# Altium PCB slave.PcbDoc (part 1 of 5) (continued)
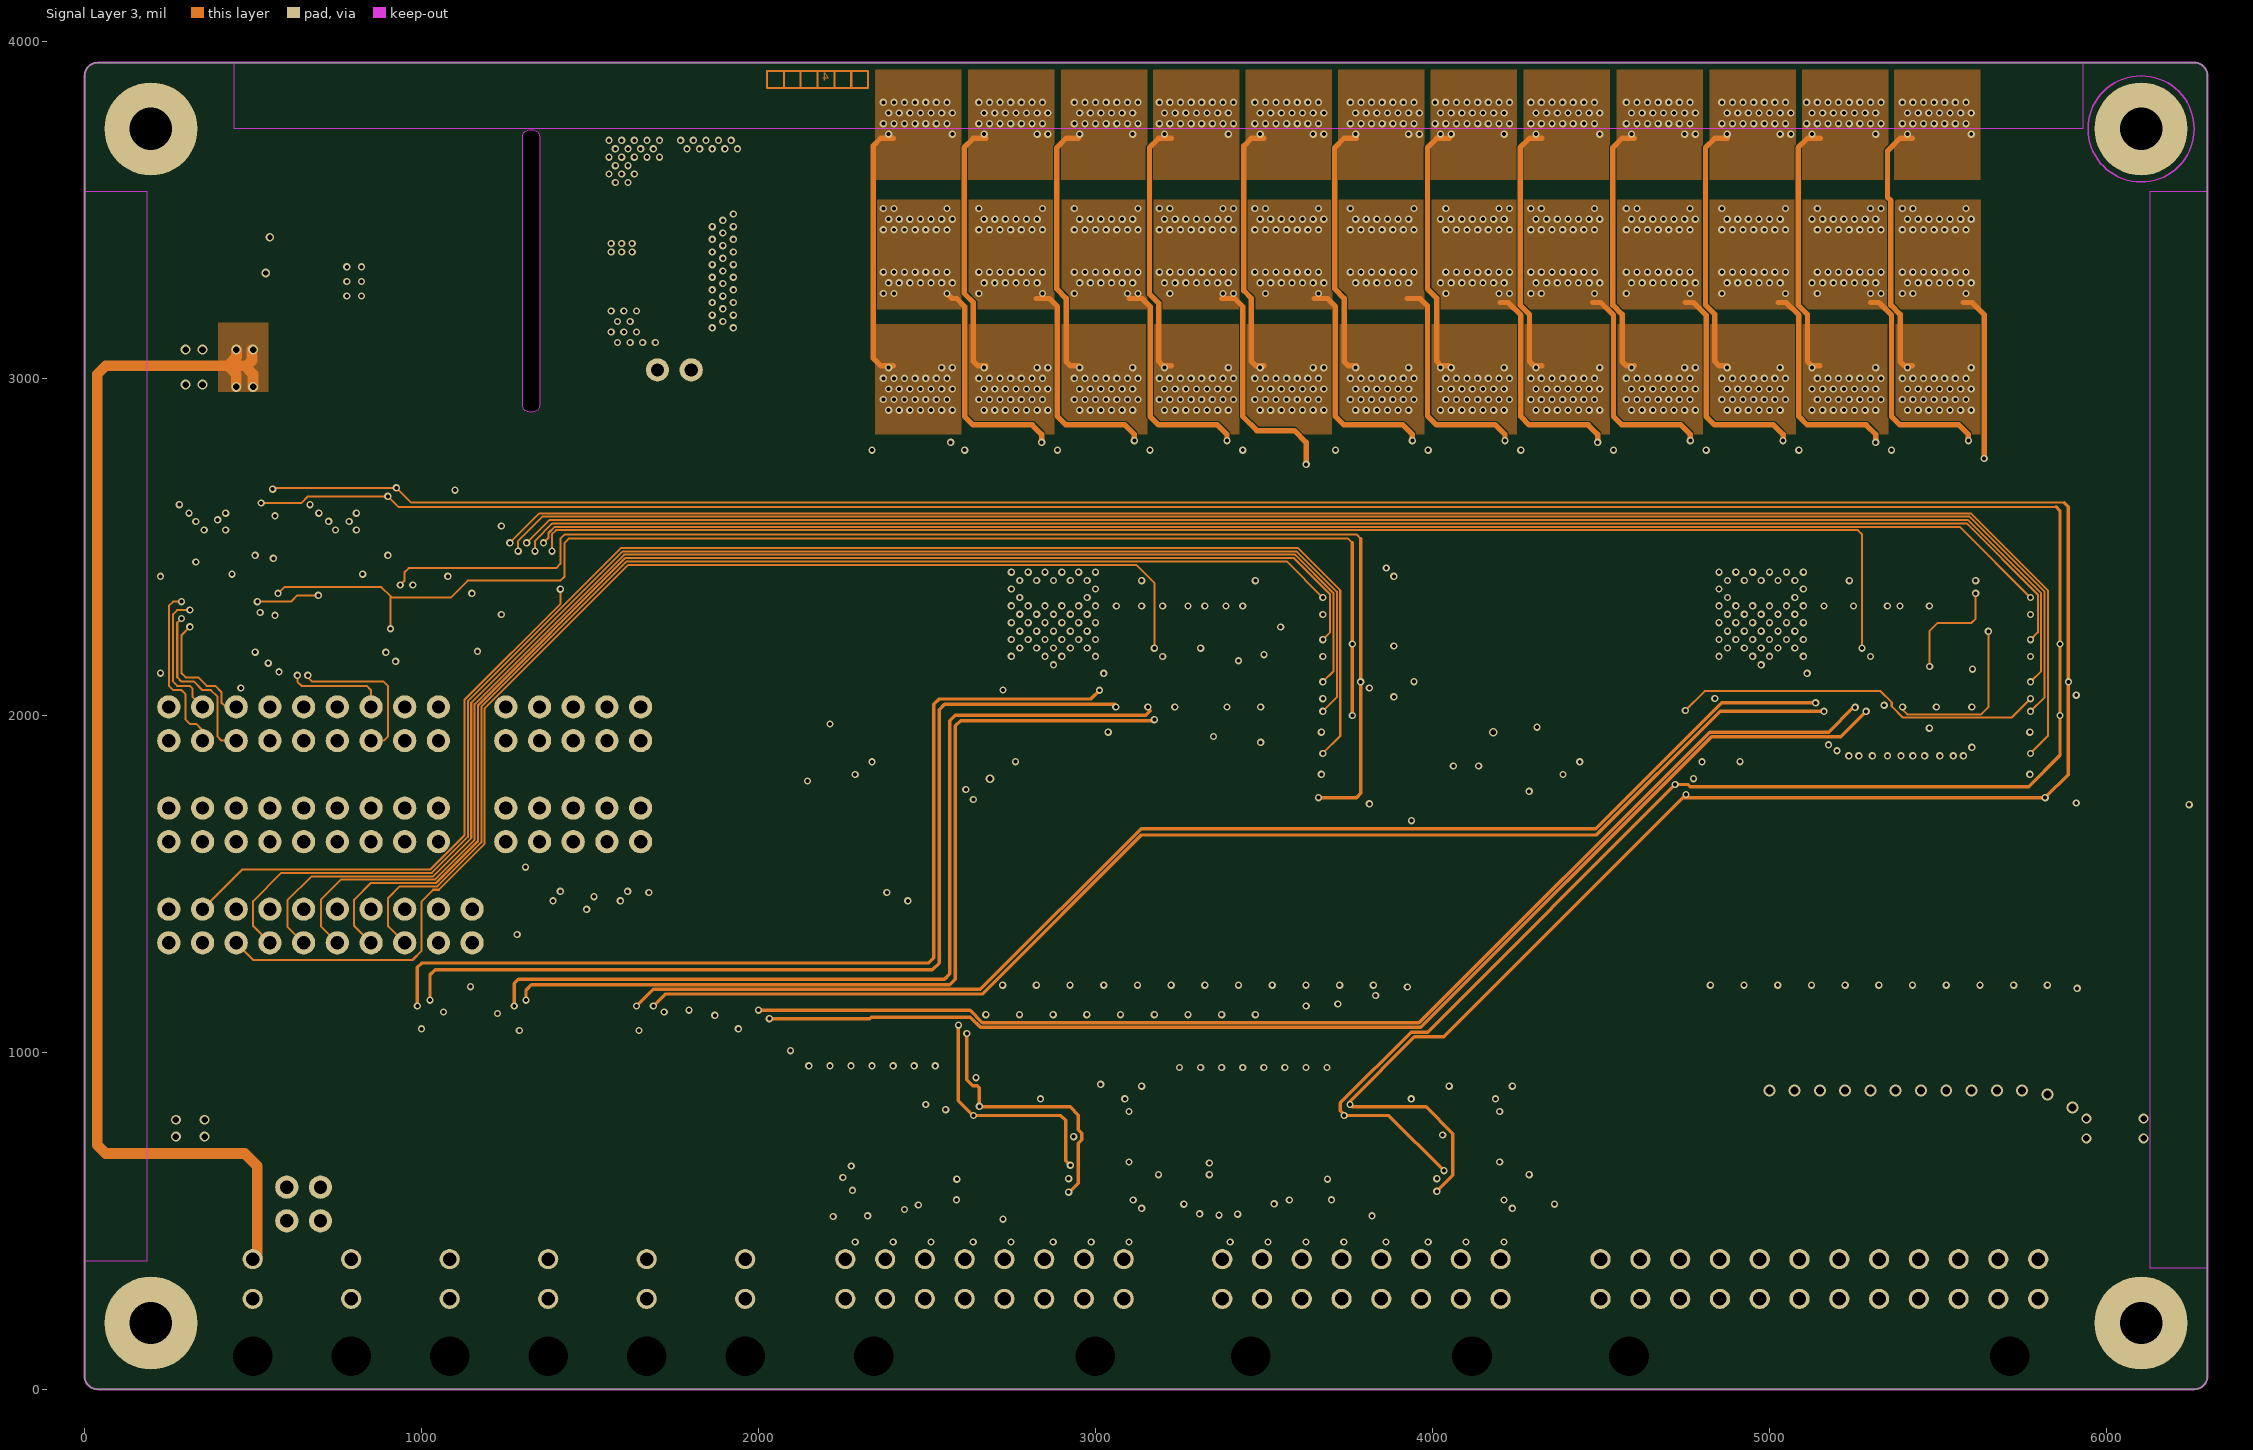
[diagram p4: Signal Layer 3]
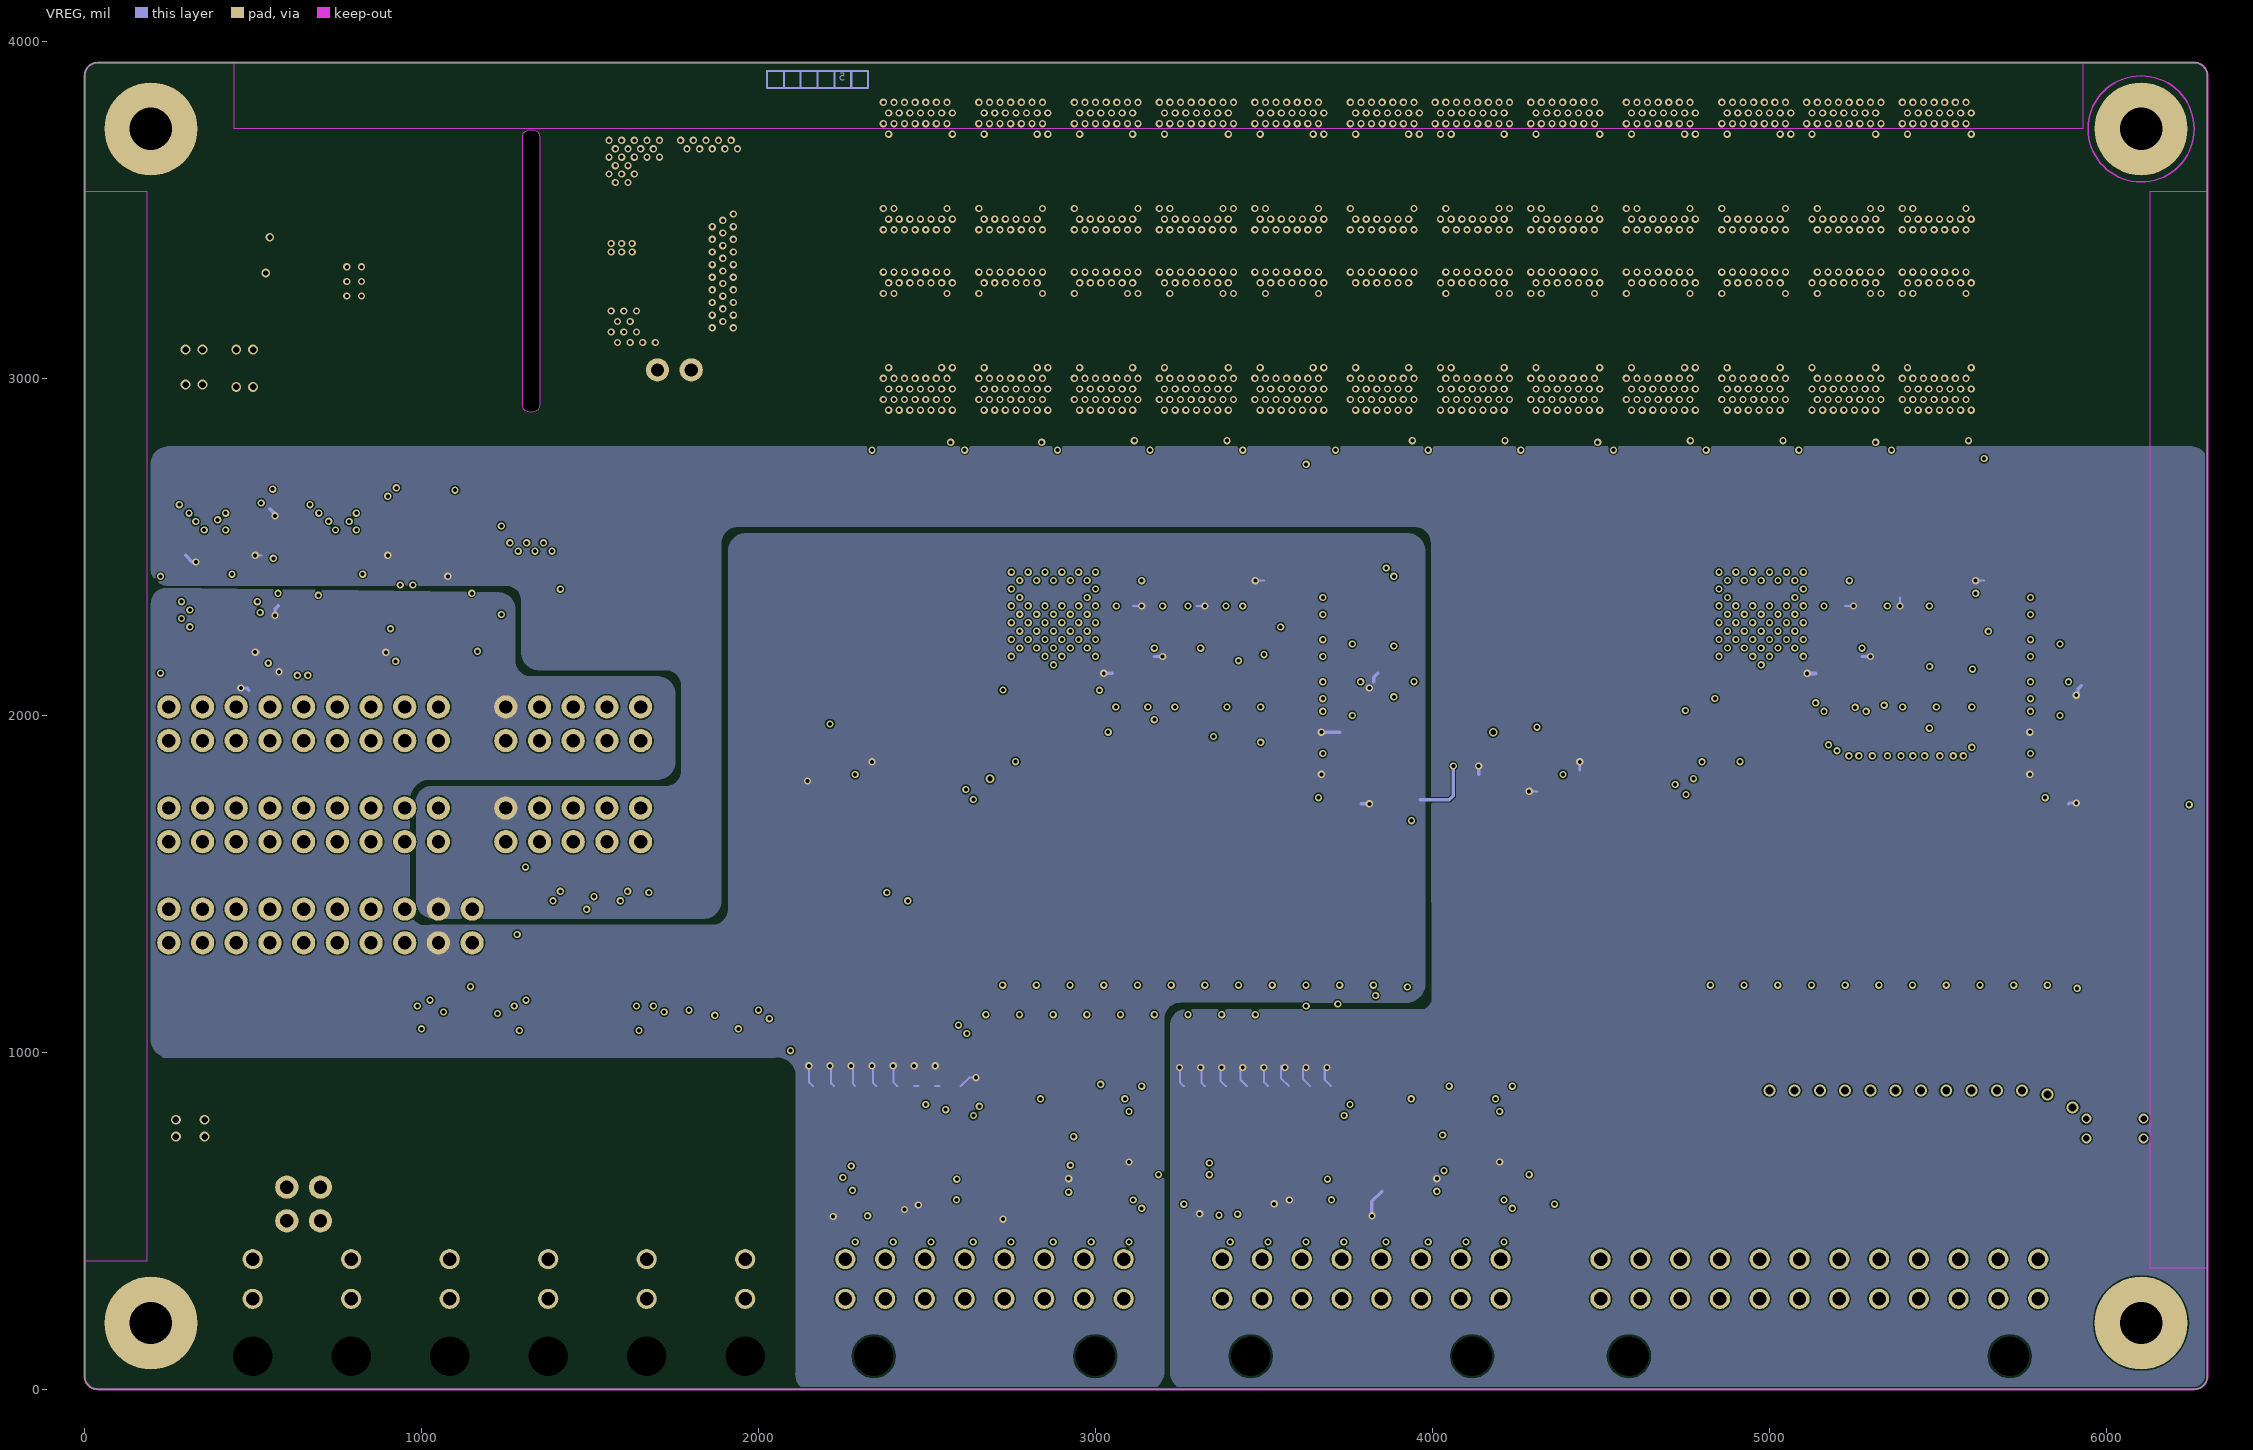
[diagram p5: VREG]

## Layer stack, top to bottom
Top Solder: solder mask 0.5909, Solder Resist, Dk 3.5
Top Copper: signal copper 1.378
Dielectric 1: prepreg 7.874, FR-4, Dk 4.2
FUSED_VBAT-: signal copper 1.378
Dielectric 2: core 13.7799, FR-4, Dk 4.2
Signal Layer 2: signal copper 1.378
Dielectric 3: prepreg 14.1728, FR-4, Dk 4.2
Signal Layer 3: signal copper 1.378
Dielectric 4: core 13.7799, FR-4, Dk 4.2
VREG: signal copper 1.378
Dielectric 5: prepreg 7.874, FR-4, Dk 4.2
Bot Copper: signal copper 1.378
Bottom Solder: solder mask 0.5909, Solder Resist, Dk 3.5

## Board outline
39.37,3937.01 6259.84,3937.01 cw(c6259.84,3897.64) 6299.21,3897.64 6299.21,39.37 cw(c6259.84,39.37) 6259.84,0 39.37,0 cw(c39.37,39.37) 0,39.37 0,3897.64 cw(c39.37,3897.64)
cut-out: 1350,3717.82 1350,2919.69 cw(c1330.32,2919.68) 1330.32,2900 1319.69,2900 cw(c1319.69,2919.69) 1300,2919.69 1300,3717.82 cw(c1319.68,3717.81) 1319.69,3737.5 1330.32,3737.5 cw(c1330.32,3717.82)

## Design rules (kind name [scope] priority, off if disabled: settings)
AssemblyTestPointUsage [All] p1 off:
AssemblyTestpoint [(IsPad And (OnTopLayer Or OnBottomLayer)) Or (IsPad And OnMultiLayer)] p1 off: testpointundercomponent=FALSE minsize=40 maxsize=100 preferedsize=60 minholesize=0 maxholesize=40 preferedholesize=32 testpointgrid=1 usegrid=TRUE gridtolerance=0.01 allowsidetop=TRUE
BoardOutlineClearance [All] p1: gap=8 ignorepadtopadclearanceinfootprint=FALSE except(20: Arc-CavityEdge Track-CavityEdge SMDPad-CavityEdge THPad-CavityEdge Via-CavityEdge Fill-CavityEdge Poly-CavityEdge Region-CavityEdge Text-CavityEdge)
Clearance [All] p1: gap=4 ignorepadtopadclearanceinfootprint=TRUE except(6: Arc-Text Arc-Hole Track-Text Track-Hole SMDPad-Text SMDPad-Hole THPad-Text THPad-Hole Via-Text Via-Hole Fill-Text Fill-Hole Poly-Text Poly-Hole Region-Text Region-Hole Text-Text Text-Hole; 8: Arc-Via Track-Via SMDPad-Via THPad-Via Via-Via)
FabricationTestpoint [All] p1: side=1 testpointundercomponent=TRUE minsize=20 maxsize=300 preferedsize=60 minholesize=0 maxholesize=40 preferedholesize=32 testpointgrid=1 allowsidetop=TRUE usegrid=FALSE gridtolerance=0.01
HoleSize [All] p1: absolutevalues=TRUE maxlimit=236 minlimit=7.87 maxpercent=80.000 minpercent=20.000
HoleToHoleClearance [All] p1: gap=6 allowstackedmicrovias=TRUE
MinimumAnnularRing [All] p1: minimumring=4
MinimumSolderMaskSliver [All] p1: minsoldermaskwidth=4
PlaneConnect [All] p1: planeconnectstyle=Direct reliefexpansion=20 reliefentries=4 reliefconductorwidth=10 reliefairgap=10
PolygonConnect [All] p1: connectstyle=Direct reliefconductorwidth=10 reliefentries=4 polygonreliefangle="90 Angle" airgapwidth=10
RoutingVias [All] p1: holewidth=8 width=17.72 viastyle="Through Hole" minholewidth=7.87 minwidth=17.72 maxholewidth=39.37 maxwidth=275.59 useviatemplates=TRUE viatemplateguid#1={735CFFC7-7FCB-400B-90A4-091FB491FE8E} viatemplateguid#2={C77E48B5-D72A-43E5-B607-882EEF7DF4B8} viatemplateguid#3={BCBA6DA9-2A6C-489C-89BE-4D46AD43197C} viatemplateguid#4={1CB78F7B-8890-4ECE-AB9B-0386D27855BF} viatemplatename#1=0.3mm_tented viatemplatename#2=0.4mm_tented viatemplatename#3=0.5mm_tented viatemplatename#4=0.6mm_tented
SMDEntry [All] p1: side=TRUE corner=TRUE anyangle=FALSE
SMDToCorner [All] p1: distance=40000
SilkToSolderMaskClearance [IsPad] p1: minsilkscreentomaskgap=4 clearancetoexposedcopper=FALSE
SolderMaskExpansion SolderMaskExpansion_VIAs [IsVia] p1: expansion=-393.7 // Cover all Vias
SolderMaskExpansion [All] p2: expansion=2
UnRoutedNet [All] p1: checkbadconnections=TRUE
UnpouredPolygon UnpouredPolygon_1 [All] p1:
Width [All] p1: maxlimit=60 minlimit=4 preferedwidth=6
20 further rules are at their usual default settings.

## Classes and differential pairs
net class SECONDARY-T-SENSOR_[0..7]: SECONDARY-T-SENSOR_0 SECONDARY-T-SENSOR_1 SECONDARY-T-SENSOR_2 SECONDARY-T-SENSOR_3 SECONDARY-T-SENSOR_4 SECONDARY-T-SENSOR_5 SECONDARY-T-SENSOR_6 SECONDARY-T-SENSOR_7
net class SECONDARY-DIGITAL-IO_[0..7]: SECONDARY-DIGITAL-IO_0 SECONDARY-DIGITAL-IO_1 SECONDARY-DIGITAL-IO_2 SECONDARY-DIGITAL-IO_3 SECONDARY-DIGITAL-IO_4 SECONDARY-DIGITAL-IO_5 SECONDARY-DIGITAL-IO_6 SECONDARY-DIGITAL-IO_7
net class SECONDARY-C[0..12]: SECONDARY-C0 SECONDARY-C1 SECONDARY-C2 SECONDARY-C3 SECONDARY-C4 SECONDARY-C5 SECONDARY-C6 SECONDARY-C7 SECONDARY-C8 SECONDARY-C9 SECONDARY-C10 SECONDARY-C11 SECONDARY-C12
net class SECONDARY-ANALOG-IN_[0..15]: SECONDARY-ANALOG-IN_0 SECONDARY-ANALOG-IN_1 SECONDARY-ANALOG-IN_2 SECONDARY-ANALOG-IN_3 SECONDARY-ANALOG-IN_4 SECONDARY-ANALOG-IN_5 SECONDARY-ANALOG-IN_6 SECONDARY-ANALOG-IN_7 SECONDARY-ANALOG-IN_8 SECONDARY-ANALOG-IN_9 SECONDARY-ANALOG-IN_10 SECONDARY-ANALOG-IN_11 SECONDARY-ANALOG-IN_12 SECONDARY-ANALOG-IN_13 SECONDARY-ANALOG-IN_14 SECONDARY-ANALOG-IN_15
net class S[0..12]: S0 S1 S2 S3 S4 S5 S6 S7 S8 S9 S10 S11 S12
net class PRIMARY-T-SENSOR_[0..7]: PRIMARY-T-SENSOR_0 PRIMARY-T-SENSOR_1 PRIMARY-T-SENSOR_2 PRIMARY-T-SENSOR_3 PRIMARY-T-SENSOR_4 PRIMARY-T-SENSOR_5 PRIMARY-T-SENSOR_6 PRIMARY-T-SENSOR_7
net class PRIMARY-DIGITAL-IO_[0..7]: PRIMARY-DIGITAL-IO_0 PRIMARY-DIGITAL-IO_1 PRIMARY-DIGITAL-IO_2 PRIMARY-DIGITAL-IO_3 PRIMARY-DIGITAL-IO_4 PRIMARY-DIGITAL-IO_5 PRIMARY-DIGITAL-IO_6 PRIMARY-DIGITAL-IO_7
net class PRIMARY-C[0..12]: PRIMARY-C0 PRIMARY-C1 PRIMARY-C2 PRIMARY-C3 PRIMARY-C4 PRIMARY-C5 PRIMARY-C6 PRIMARY-C7 PRIMARY-C8 PRIMARY-C9 PRIMARY-C10 PRIMARY-C11 PRIMARY-C12
net class PRIMARY-ANALOG-IN_[0..15]: PRIMARY-ANALOG-IN_0 PRIMARY-ANALOG-IN_1 PRIMARY-ANALOG-IN_2 PRIMARY-ANALOG-IN_3 PRIMARY-ANALOG-IN_4 PRIMARY-ANALOG-IN_5 PRIMARY-ANALOG-IN_6 PRIMARY-ANALOG-IN_7 PRIMARY-ANALOG-IN_8 PRIMARY-ANALOG-IN_9 PRIMARY-ANALOG-IN_10 PRIMARY-ANALOG-IN_11 PRIMARY-ANALOG-IN_12 PRIMARY-ANALOG-IN_13 PRIMARY-ANALOG-IN_14 PRIMARY-ANALOG-IN_15
polygon class PolygonThermal_OFF: Polygon_1_Net_+5.0V_VREG_0 Polygon_1_Net_+5.0V_VREG_1 Polygon_1_Net_CELL0_FEEDBACK+ Polygon_1_Net_CELL0_FEEDBACK+1 Polygon_1_Net_CELL1_FEEDBACK+ Polygon_1_Net_CELL1_FEEDBACK+1 Polygon_1_Net_CELL2_FEEDBACK+ Polygon_1_Net_CELL2_FEEDBACK+1 Polygon_1_Net_CELL3_FEEDBACK+ Polygon_1_Net_CELL3_FEEDBACK+1 Polygon_1_Net_CELL4_FEEDBACK+ Polygon_1_Net_CELL4_FEEDBACK+1 Polygon_1_Net_CELL5_FEEDBACK+ Polygon_1_Net_CELL5_FEEDBACK+1 Polygon_1_Net_CELL6_FEEDBACK+ Polygon_1_Net_CELL6_FEEDBACK+1 Polygon_1_Net_CELL7_FEEDBACK+ Polygon_1_Net_CELL7_FEEDBACK+1 Polygon_1_Net_CELL8_FEEDBACK+ Polygon_1_Net_CELL8_FEEDBACK+1 Polygon_1_Net_CELL9_FEEDBACK+ Polygon_1_Net_CELL9_FEEDBACK+1 Polygon_1_Net_CELL10_FEEDBACK+ Polygon_1_Net_CELL10_FEEDBACK+1 Polygon_1_Net_CELL11_FEEDBACK+ Polygon_1_Net_CELL11_FEEDBACK+1 Polygon_1_Net_EXT_DC_IN+ Polygon_1_Net_EXT_DC_IN- Polygon_1_Net_EXT_DC_ISO+ Polygon_1_Net_FUSED_CELL_0+ Polygon_1_Net_FUSED_CELL_0- Polygon_1_Net_FUSED_CELL_1+ Polygon_1_Net_FUSED_CELL_2+ Polygon_1_Net_FUSED_CELL_3+ Polygon_1_Net_FUSED_CELL_4+ Polygon_1_Net_FUSED_CELL_5+ Polygon_1_Net_FUSED_CELL_6+ Polygon_1_Net_FUSED_CELL_7+ Polygon_1_Net_FUSED_CELL_8+ Polygon_1_Net_FUSED_CELL_9+ Polygon_1_Net_FUSED_CELL_10+ Polygon_1_Net_FUSED_VBAT- Polygon_1_Net_N$4 Polygon_1_Net_N$7 Polygon_1_Net_N$11 Polygon_1_Net_N$13 Polygon_1_Net_N$17 Polygon_1_Net_N$19 Polygon_1_Net_N$21 Polygon_1_Net_N$23 Polygon_1_Net_N$24 Polygon_1_Net_N$25 Polygon_1_Net_N$27 Polygon_1_Net_N$29 Polygon_1_Net_N$41 Polygon_1_Net_N$43 Polygon_1_Net_N$46 Polygon_1_Net_N$48 Polygon_1_Net_N$74 Polygon_1_Net_N$80 Polygon_1_Net_N$84 Polygon_1_Net_N$87 Polygon_1_Net_N$89 Polygon_1_Net_N$91 Polygon_1_Net_N$92 Polygon_1_Net_N$1254 Polygon_2_Net_CELL0_FEEDBACK+ Polygon_2_Net_CELL1_FEEDBACK+ Polygon_2_Net_CELL2_FEEDBACK+ Polygon_2_Net_CELL3_FEEDBACK+ Polygon_2_Net_CELL4_FEEDBACK+ Polygon_2_Net_CELL5_FEEDBACK+ Polygon_2_Net_CELL6_FEEDBACK+ Polygon_2_Net_CELL7_FEEDBACK+ Polygon_2_Net_CELL8_FEEDBACK+ Polygon_2_Net_CELL9_FEEDBACK+ Polygon_2_Net_CELL10_FEEDBACK+ Polygon_2_Net_CELL11_FEEDBACK+ Polygon_2_Net_EXT_DC_IN- Polygon_2_Net_EXT_DC_ISO+ Polygon_2_Net_FUSED_VBAT- Polygon_2_Net_N$7 Polygon_2_Net_N$25 Polygon_2_Net_N$74 Polygon_2_Net_N$84 Polygon_2_Net_N$91 Polygon_3_Net_CELL0_FEEDBACK+ Polygon_3_Net_CELL1_FEEDBACK+ Polygon_3_Net_CELL2_FEEDBACK+ Polygon_3_Net_CELL3_FEEDBACK+ Polygon_3_Net_CELL4_FEEDBACK+ Polygon_3_Net_CELL5_FEEDBACK+ Polygon_3_Net_CELL6_FEEDBACK+ Polygon_3_Net_CELL7_FEEDBACK+ Polygon_3_Net_CELL8_FEEDBACK+ Polygon_3_Net_CELL9_FEEDBACK+ Polygon_3_Net_CELL10_FEEDBACK+ Polygon_3_Net_CELL11_FEEDBACK+ Polygon_3_Net_EXT_DC_IN- Polygon_3_Net_EXT_DC_ISO+ Polygon_3_Net_FUSED_VBAT- Polygon_4_Net_EXT_DC_ISO+ Polygon_5_Net_EXT_DC_ISO+ Polygon_6_Net_EXT_DC_ISO+
polygon class Isolate_10: Polygon_1_Net_+5.0V_VREG_0 Polygon_1_Net_+5.0V_VREG_1 Polygon_1_Net_EXT_DC_IN+ Polygon_1_Net_N$89 Polygon_2_Net_N$91 Polygon_3_Net_EXT_DC_IN-
pad class SMDPaste_OFF: IC1601-9 IC1601-P$1

## Components (designator, comment, footprint, x,y, rotation, side; value= is the part's Value field where it differs from the comment)
C201 "100n/100V" CAPC2012X14N 4886.71,1949.51 r270 top
C202 "100n/100V" CAPC2012X14N 5061.71,1949.51 r90 top locked
C203 "1u/35V" CAPC1608X08N 5324.21,2249.51 r270 top
C204 "100p/50V" CAPC1608X08N 1825,1125 r270 top locked
C205 "1u/35V" CAPC1608X08N 5536.71,2249.51 r270 top
C206 "1u/35V" CAPC1608X08N 5486.71,2249.51 r270 top locked
C207 "100p/50V" CAPC1608X08N 1762.5,1125 r270 top locked
C301 "100n/100V" CAPC2012X14N 2786.71,1949.51 r270 top
C302 "100n/100V" CAPC2012X14N 2961.71,1949.51 r90 top locked
C303 "1u/35V" CAPC1608X08N 3224.21,2249.51 r270 top
C304 "100p/50V" CAPC1608X08N 1175,1125 r270 top locked
C305 "1u/35V" CAPC1608X08N 3436.71,2249.51 r270 top
C306 "1u/35V" CAPC1608X08N 3386.71,2249.51 r270 top locked
C307 "100p/50V" CAPC1608X08N 1112.5,1125 r270 top locked
C501 "10n/100V" CAPC1608X08N 5424.21,1299.51 r270 top
C502 "10n/100V" CAPC1608X08N 5524.21,1299.51 r270 top
C503 "10n/100V" CAPC1608X08N 5624.21,1299.51 r270 top
C504 "10n/100V" CAPC1608X08N 5724.21,1299.51 r270 top
C505 "10n/100V" CAPC1608X08N 5824.21,1299.51 r270 top
C506 "10n/100V" CAPC1608X08N 5924.21,1299.51 r270 top
C507 "10n/100V" CAPC1608X08N 5474.21,1649.51 r0 top
C508 "10n/100V" CAPC1608X08N 5574.21,1589.51 r0 top
C509 "10n/100V" CAPC1608X08N 5674.21,1649.51 r0 top
C510 "10n/100V" CAPC1608X08N 5774.21,1589.51 r0 top
C511 "10n/100V" CAPC1608X08N 5874.21,1649.51 r0 top
C512 "10n/100V" CAPC1608X08N 5974.21,1589.51 r0 top
C513 "10n/100V" CAPC1608X08N 4824.21,1299.51 r270 top
C514 "10n/100V" CAPC1608X08N 4924.21,1299.51 r270 top
C515 "10n/100V" CAPC1608X08N 5024.21,1299.51 r270 top
C516 "10n/100V" CAPC1608X08N 5124.21,1299.51 r270 top
C517 "10n/100V" CAPC1608X08N 5224.21,1299.51 r270 top
C518 "10n/100V" CAPC1608X08N 5324.21,1299.51 r270 top
C519 "10n/100V" CAPC1608X08N 4874.21,1649.51 r0 top
C520 "10n/100V" CAPC1608X08N 4974.21,1589.51 r0 top
C521 "10n/100V" CAPC1608X08N 5074.21,1649.51 r0 top
C522 "10n/100V" CAPC1608X08N 5174.21,1589.51 r0 top
C523 "10n/100V" CAPC1608X08N 5274.21,1649.51 r0 top
C524 "10n/100V" CAPC1608X08N 5374.21,1589.51 r0 top
C601 "10n/100V" CAPC1608X08N 3324.21,1299.51 r270 top
C602 "10n/100V" CAPC1608X08N 3424.21,1299.51 r270 top locked
C603 "10n/100V" CAPC1608X08N 3524.21,1299.51 r270 top locked
C604 "10n/100V" CAPC1608X08N 3624.21,1299.51 r270 top locked
C605 "10n/100V" CAPC1608X08N 3724.21,1299.51 r270 top locked
C606 "10n/100V" CAPC1608X08N 3824.21,1299.51 r270 top locked
C607 "10n/100V" CAPC1608X08N 3374.21,1649.51 r0 top locked
C608 "10n/100V" CAPC1608X08N 3474.21,1589.51 r0 top locked
C609 "10n/100V" CAPC1608X08N 3574.21,1649.51 r0 top locked
C610 "10n/100V" CAPC1608X08N 3674.21,1589.51 r0 top locked
C611 "10n/100V" CAPC1608X08N 3774.21,1649.51 r0 top locked
C612 "10n/100V" CAPC1608X08N 3874.21,1589.51 r0 top locked
C613 "10n/100V" CAPC1608X08N 2724.21,1299.51 r270 top locked
C614 "10n/100V" CAPC1608X08N 2824.21,1299.51 r270 top locked
C615 "10n/100V" CAPC1608X08N 2924.21,1299.51 r270 top locked
C616 "10n/100V" CAPC1608X08N 3024.21,1299.51 r270 top locked
C617 "10n/100V" CAPC1608X08N 3124.21,1299.51 r270 top locked
C618 "10n/100V" CAPC1608X08N 3224.21,1299.51 r270 top
C619 "10n/100V" CAPC1608X08N 2774.21,1649.51 r0 top locked
C620 "10n/100V" CAPC1608X08N 2874.21,1589.51 r0 top locked
C621 "10n/100V" CAPC1608X08N 2974.21,1649.51 r0 top locked
C622 "10n/100V" CAPC1608X08N 3074.21,1589.51 r0 top locked
C623 "10n/100V" CAPC1608X08N 3174.21,1649.51 r0 top locked
C624 "10n/100V" CAPC1608X08N 3274.21,1589.51 r0 top locked
C801 "100n/50V" CAPC1608X08N 4811.71,1949.51 r90 top
C901 "100n/50V" CAPC1608X08N 4286.71,562.01 r270 top
C902 "1u/35V" CAPC1608X08N 3775.79,550.49 r0 top
C903 "1u/35V" CAPC1608X08N 299.51,2400.79 r0 top
C904 "10n/100V" CAPC1608X08N 4011.71,862.01 r0 top locked
C905 "10n/100V" CAPC1608X08N 1136.71,2574.51 r180 top locked
C906 "1u/35V" CAPC1608X08N 4215,750 r270 top
C907 "1u/35V" CAPC1608X08N 1049.21,2374.51 r0 top
C908 "1u/35V" CAPC1608X08N 558,2528 r90 top
C1001 "100n/50V" CAPC1608X08N 3186.71,562.01 r270 top
C1002 "1u/35V" CAPC1608X08N 2675.79,550.49 r0 top
C1003 "1u/35V" CAPC1608X08N 299.51,2113.29 r0 top
C1004 "10n/100V" CAPC1608X08N 2911.71,862.01 r0 top locked
C1005 "10n/100V" CAPC1608X08N 1136.71,2312.01 r180 top locked
C1006 "1u/35V" CAPC1608X08N 3110,750 r270 top
C1007 "1u/35V" CAPC1608X08N 1161.71,2112.01 r0 top
C1008 "1u/35V" CAPC1608X08N 555,2223.54 r90 top locked
C1100 "100n/50V" CAPC1608X08N 3450,562.5 r0 top
C1101 "100n/50V" CAPC1608X08N 3337.5,562.5 r180 top
C1200 "100n/50V" CAPC1608X08N 2250,555.26 r180 top
C1201 "100n/50V" CAPC1608X08N 2362.5,555.26 r0 top
C1301 "100n/50V" CAPC1608X08N 5986.71,1737.01 r180 top
C1302 "100n/50V" CAPC1608X08N 4315,1810 r180 top
C1401 "100n/50V" CAPC1608X08N 3886.71,1737.01 r180 top
C1402 "100n/50V" CAPC1608X08N 2215,1815 r180 top
C1501 "100n/50V" CAPC1608X08N 261.71,1537.01 r180 top locked
C1502 "100n/50V" CAPC1608X08N 261.71,1837.01 r180 top locked
C1503 "100n/50V" CAPC1608X08N 1161.71,1674.51 r90 top locked
C1504 "100n/50V" CAPC1608X08N 1161.71,1974.51 r90 top locked
C1505 "100n/50V" CAPC1608X08N 1011.71,1512.01 r0 top locked
C1506 "100n/50V" CAPC1608X08N 1246.09,1437.01 r90 top
C1507 "100n/50V" CAPC1608X08N 1246.09,1312.01 r270 top
C1508 "100n/50V" CAPC1608X08N 1011.71,1237.01 r0 top
C1601 "1u/25V" CAPC2012X14N 387.5,3037.5 r180 top
C1602 "10u/25V" CAPC3225X25N 600,3187.5 r90 top
C1603 "10u/25V" CAPC3225X25N 462.5,3187.5 r90 top
C1604 "100n/50V" CAPC1608X08N 725,3435 r180 top locked
C1605 "1u/35V" CAPC1608X08N 606.25,3312.5 r0 top locked
C1606 "470p/100V" CAPC2012X14N 700,3693.75 r180 top locked
C1607 "4n7/1000V" CAPC4532X16N 1325,3037.5 r0 top
C1608 "4u7/100V" CAPC3216X18N 1750,3350 r0 top
C1609 "4u7/100V" CAPC3216X18N 1750,3262.5 r0 top
C1610 "4u7/100V" CAPC3216X18N 1750,3437.5 r0 top
D201 "DFLS1100-7" DIOD-POWERDI123-2_V 4725,1437.5 r90 top locked
D202 "SMAJ60A-E3/61" VISH-DO-214AC-2_N 4961.71,1812.01 r180 top
D301 "DFLS1100-7" DIOD-POWERDI123-2_V 2625,1437.5 r90 top locked
D302 "SMAJ60A-E3/61" VISH-DO-214AC-2_N 2861.71,1812.01 r180 top
D801 "BAT54C,215" NXP-SOT23-3_V 4099.21,1924.51 r180 top
D1601 "DFLS1100-7" DIOD-POWERDI123-2_V 425,740 r90 top locked
D1602 "DFLZ36-7" PowerDI123 725,3615 r180 top locked
D1603 "DFLS1100-7" DIOD-POWERDI123-2_V 921,3613 r180 top locked
D1604 "PDS3200" PowerDI5 1800,3575 r0 top locked
D1605 "MMSZ5263BT1G" ONSC-SOD-123-2-425-04_V 1750,3175 r180 top
Designator12 "Comment" Fiducial_2 6102.36,393.7 r0 top locked
Designator13 "Comment" Fiducial_2 393.7,3740.16 r0 top locked
Designator26 "Comment" Hole_3.2_Iso 6102.36,3740.16 r0 top
Designator27 "Comment" Hole_3.2_Iso 6102.36,196.85 r0 top
Designator28 "Comment" layermarker6 2025,3862 r0 top
Designator28 "Comment" Hole_3.2_Iso 196.85,196.85 r0 top
Designator29 "Comment" Hole_3.2_Iso 196.85,3740.16 r0 top
F401 "fuse_0.5A_0448.500MR" LITTLEFUSE_448 4874.21,687.01 r90 top locked
F402 "fuse_0.25A_0466.250NR" LITTLEFUSE_466 4999.21,587.01 r90 top locked
F403 "fuse_0.25A_0466.250NR" LITTLEFUSE_466 5074.21,774.51 r90 top locked
F404 "fuse_0.25A_0466.250NR" LITTLEFUSE_466 5149.21,587.01 r90 top locked
F405 "fuse_0.25A_0466.250NR" LITTLEFUSE_466 5224.21,774.51 r90 top locked
F406 "fuse_0.25A_0466.250NR" LITTLEFUSE_466 5299.21,587.01 r90 top locked
F407 "fuse_0.25A_0466.250NR" LITTLEFUSE_466 5374.21,774.51 r90 top locked
F408 "fuse_0.25A_0466.250NR" LITTLEFUSE_466 5449.21,587.01 r90 top locked
F409 "fuse_0.25A_0466.250NR" LITTLEFUSE_466 5524.21,774.51 r90 top locked
F410 "fuse_0.25A_0466.250NR" LITTLEFUSE_466 5599.21,587.01 r90 top locked
F411 "fuse_0.25A_0466.250NR" LITTLEFUSE_466 5674.21,774.51 r90 top locked
F412 "fuse_0.25A_0466.250NR" LITTLEFUSE_466 5749.21,587.01 r90 top locked
F413 "fuse_0.25A_0466.250NR" LITTLEFUSE_466 5824.21,774.51 r90 top locked
F414 "fuse_0.25A_0466.250NR" LITTLEFUSE_466 5899.21,587.01 r90 top locked
F415 "fuse_0.5A_0448.500MR" LITTLEFUSE_448 6024.21,687.01 r90 top locked
F1601 "fuse_1.25A_04661.25NR" LITTLEFUSE_466 425,550 r90 top locked
IC201 "LTC6811HG-1#PBF" LT-G-48_L 5374.21,1949.51 r90 top
IC301 "LTC6811HG-1#PBF" LT-G-48_L 3274.21,1949.51 r90 top
IC901 "ADG728BRUZ" ADI-RU-16_M 3850,687.5 r180 top
IC902 "ADG728BRUZ" ADI-RU-16_M 350,2537.5 r180 top
IC905 "ADG728BRUZ" ADI-RU-16_M 737.5,2537.5 r180 top
IC1001 "ADG728BRUZ" ADI-RU-16_M 2750,687.5 r180 top
IC1002 "ADG728BRUZ" ADI-RU-16_M 350,2250 r180 top
IC1005 "ADG728BRUZ" ADI-RU-16_M 737.5,2250 r180 top
IC1301 "M24M02-DWMN3TP/K" SOIC127P600X175-8N 5987.5,1875 r180 top locked
IC1302 "MCP9800A0T-M/OT" SOT-23-OT5_L 4311.71,1924.51 r180 top locked
IC1401 "M24M02-DWMN3TP/K" SOIC127P600X175-8N 3887.5,1875 r180 top locked
IC1402 "MCP9800A0T-M/OT" SOT-23-OT5_L 2211.71,1924.51 r180 top locked
IC1601 "LT8302HS8E#PBF" LT-S8E-8_V 800,3287.5 r0 top locked
L1601 "74404042100" "WE-LQS 4018" 300,3187.5 r90 top locked
LD201 "Green" LEDC1608X07N 5420,2399.51 r0 top locked
LD301 "Green" LEDC1608X07N 3311.71,2399.51 r0 top locked
R201 "0R" RESC2012X05N 4725,1300 r90 top locked
R202 "100R" RESC2012X05N 4974.21,1949.51 r270 top locked
R203 "100R" RESC2012X05N 4725,1612.5 r90 top locked
R204 "120R" RESC1608X05N 1937.5,1100 r0 top locked
R205 "270R" RESC1608X05N 5305,2399.51 r0 top locked